# Allegro board 1156197-TDI_VU3P_QSFP28_CXP_V001_1023A-166-20241121_1644_PCB.brd (continued)
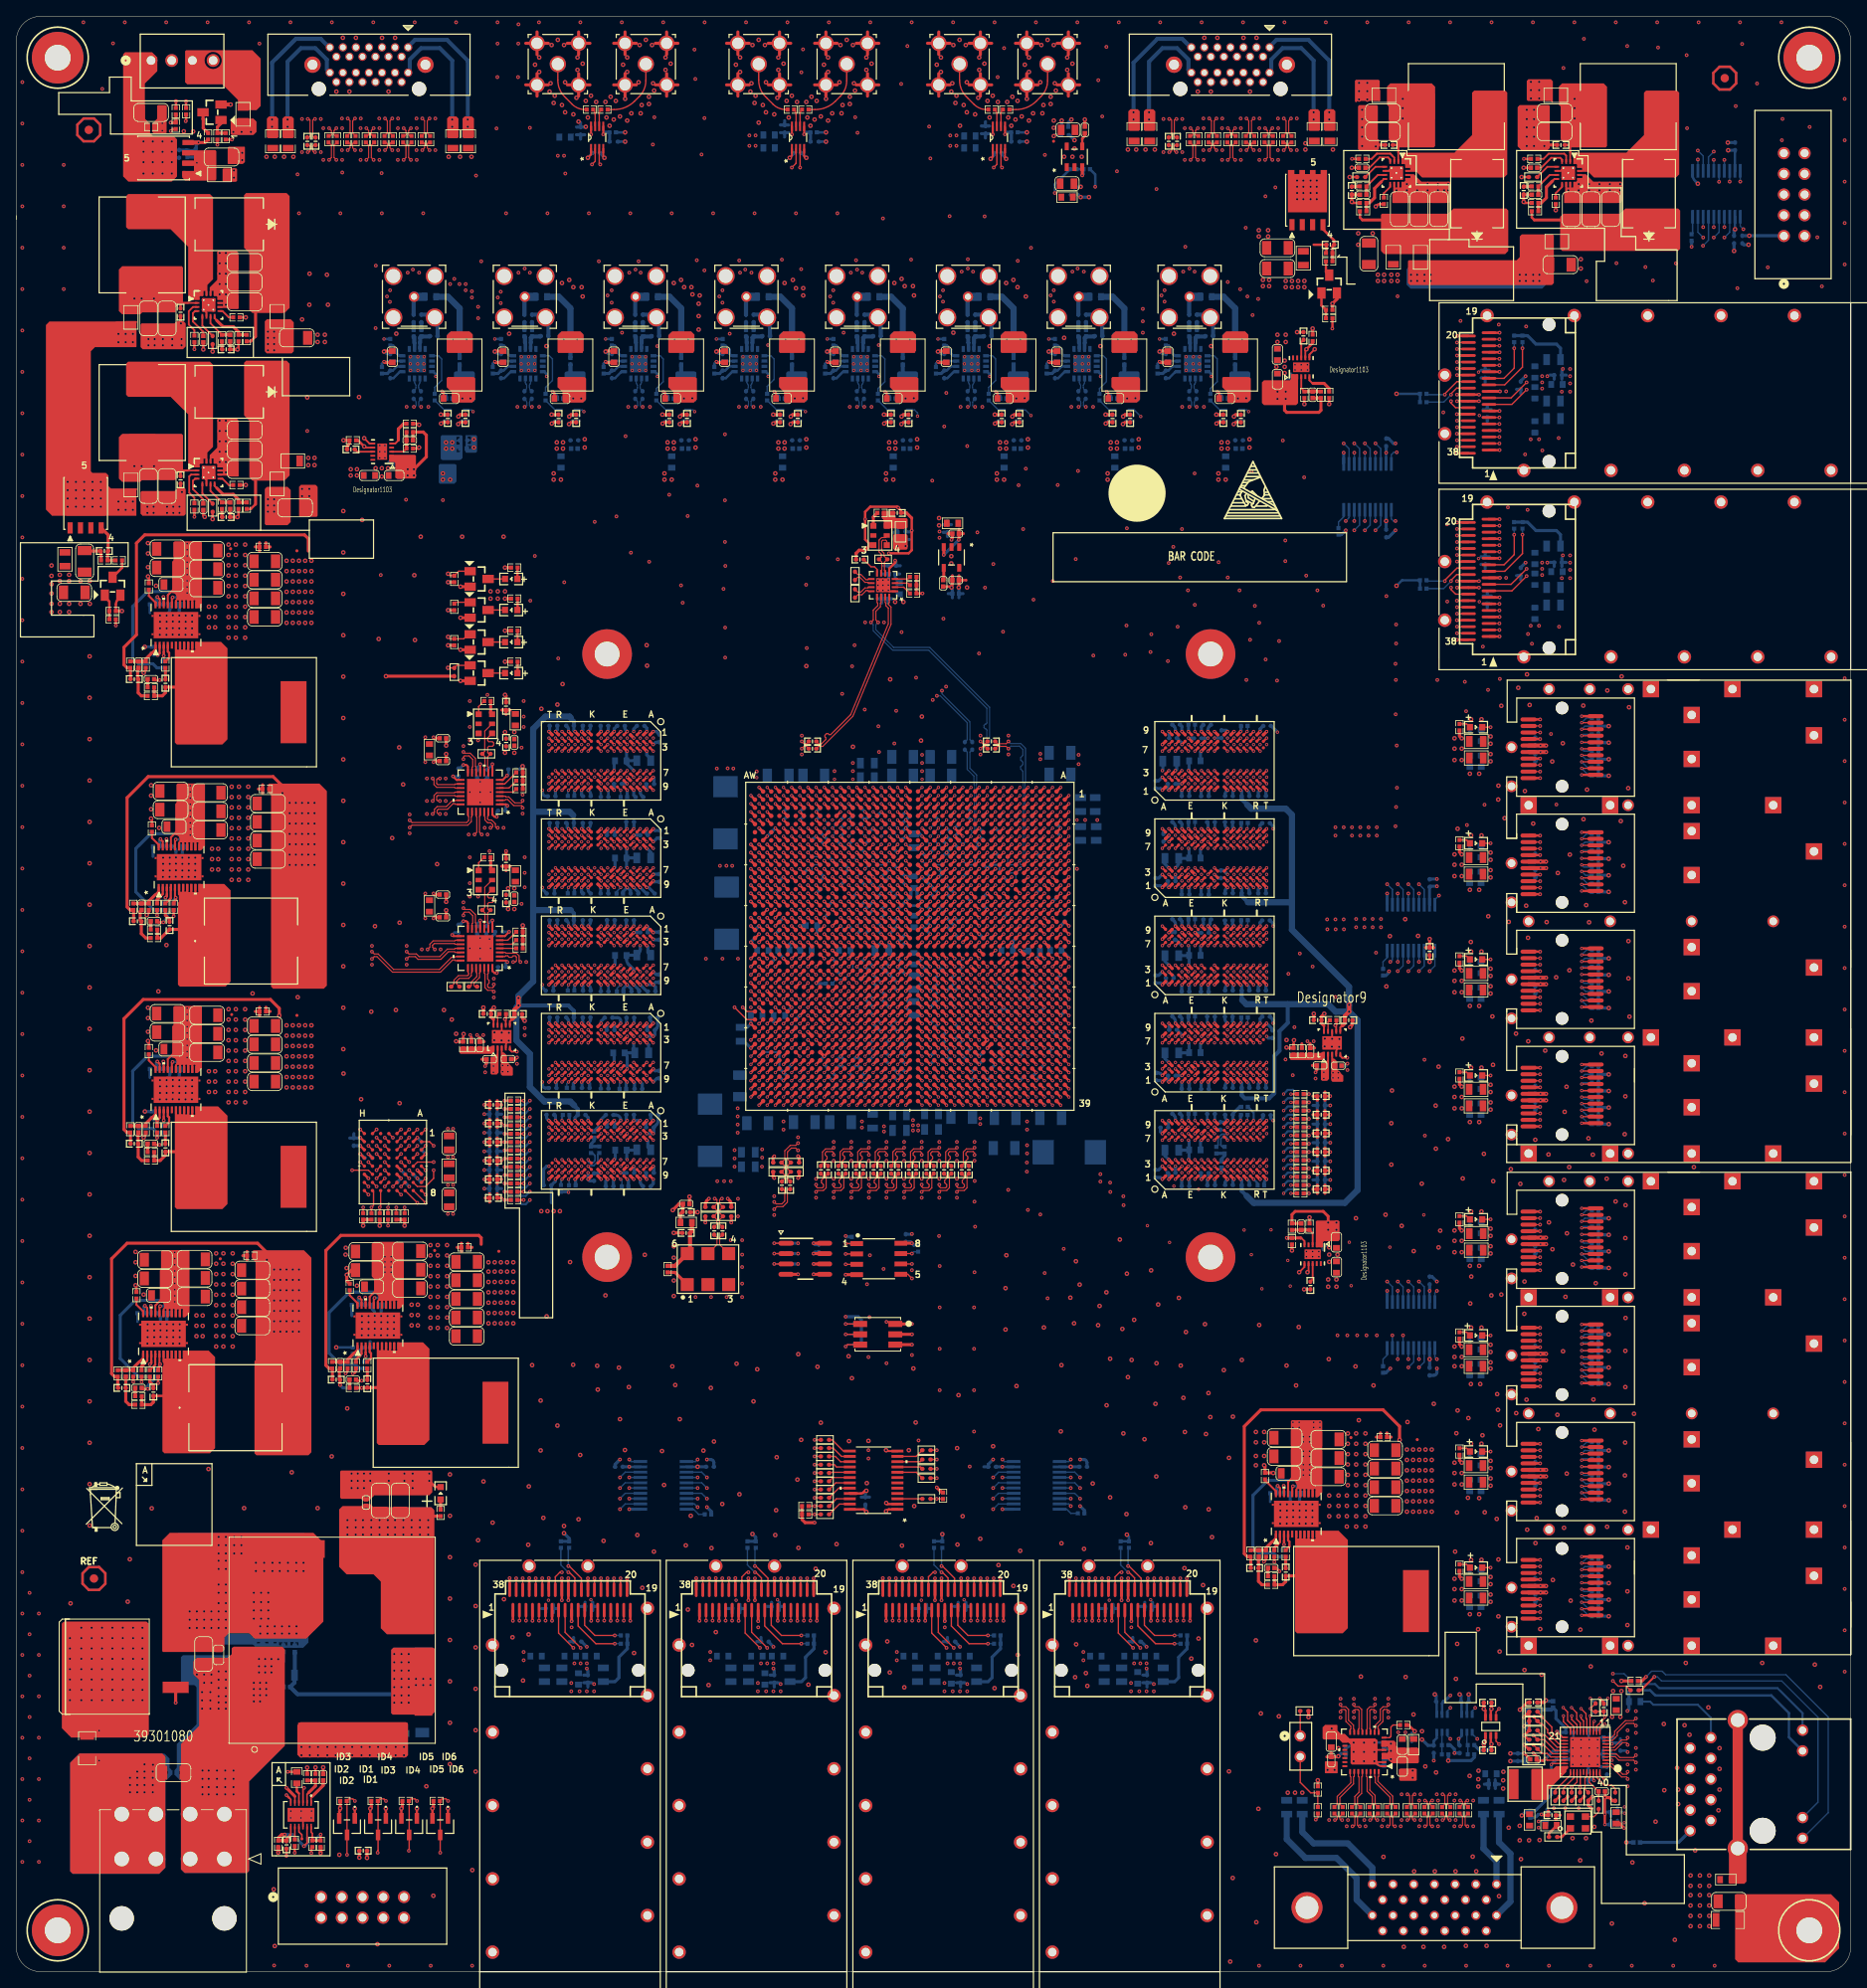
[diagram p0: board, top side]
## Routing (per net, layer and track width the routed paths; a pad name or vN(x,y) marks a point on that pad's centre or on a via; arc(x,y) is an arc through that point) (continued)
CHA_FPGA_DDR4_C1_D48: length 42.5
  TOP w0.267: U1.AP19 v1(95.1,127.36) ; U11.G2 v3(73.33,114.8)
  ART03 w0.165: v3(73.33,114.8) 73.73,115.2 73.73,116.64
  ART03 w0.191: v1(95.1,127.36) 94.6,127.86 93.89,127.86 93.6,128.14 93.6,128.57 93.32,128.86 89.84,128.86 89.53,129.16 82.8,129.16 80.01,126.36 80.01,125.32 80.2,125.13 80.99,125.13 81.18,124.94 81.18,124.56 80.99,124.37 80.2,124.37 80.01,124.18 80.01,123.8 80.2,123.61 80.99,123.61 81.18,123.41 81.18,123.03 80.99,122.84 80.2,122.84 80.01,122.65 80.01,122.27 80.2,122.08 80.99,122.08 81.18,121.89 81.18,121.51 80.99,121.32 80.35,121.32 80.16,121.13 80.16,120.75 80.35,120.56 80.99,120.56 81.18,120.37 81.18,119.41 78.99,117.22 74.19,117.22 73.73,116.76 73.73,116.64
CHA_FPGA_DDR4_C1_D49: length 39.9
  TOP w0.267: U11.F7 v3(74.13,111.6) ; U1.AR20 v1(94.1,126.36)
  ART03 w0.165: v3(74.13,111.6) 75.16,111.6 75.56,111.2 78.46,111.2
  ART03 w0.191: v1(94.1,126.36) 94.1,125.6 93.37,124.87 87.93,124.87 84.96,121.89 84.96,114.55 84.65,114.24 84.38,114.24 83.38,115.24 83.11,115.24 82.84,114.97 82.84,114.7 83.84,113.7 83.84,113.43 83.57,113.16 83.3,113.16 82.3,114.16 82.03,114.16 81.76,113.89 81.76,113.62 82.76,112.62 82.76,112.35 81.61,111.2 80.34,111.2 80.15,111.39 80.15,111.82 79.96,112.01 79.58,112.01 79.39,111.82 79.39,111.39 79.2,111.2 78.46,111.2
CHA_FPGA_DDR4_C1_D50: length 42.4
  TOP w0.267: U11.H3 v3(72.53,114) ; U1.AR19 v1(94.1,127.36)
  ART03 w0.165: v3(72.53,114) 72.93,114.4 76.68,114.4 76.69,114.41 76.69,114.41 76.92,114.64 76.92,114.64 76.93,114.65 76.93,115.06
  ART03 w0.191: 76.93,115.06 76.93,115.13 77.12,115.32 78.11,115.32 81.92,119.13 81.92,124.46 82.2,124.74 82.2,125.01 81.01,126.2 81.01,126.47 81.28,126.74 81.55,126.74 82.74,125.55 83.01,125.55 83.28,125.82 83.28,126.09 82.15,127.22 82.15,127.49 82.42,127.76 82.69,127.76 83.81,126.63 84.08,126.63 84.35,126.9 84.35,127.17 83.48,128.04 83.48,128.31 83.75,128.58 84.02,128.58 84.89,127.71 85.16,127.71 85.6,128.14 89.46,128.14 89.75,127.86 93.25,127.86 93.75,127.36 v1(94.1,127.36)
CHA_FPGA_DDR4_C1_D51: length 42.7
  TOP w0.267: U1.AN20 v1(96.1,126.36) ; U11.H7 v3(72.53,111.6)
  ART03 w0.165: v3(72.53,111.6) 72.93,111.2 75.11,111.2 75.33,110.98 75.33,110.62 75.55,110.4 78.42,110.4
  ART03 w0.191: v1(96.1,126.36) 95.78,126.36 94.5,125.07 94.18,125.07 93.55,124.44 93.55,124.13 93.28,123.86 89.69,123.86 89.53,123.7 87.63,123.7 85.6,121.67 85.6,121.4 85.79,121.21 86.37,121.21 86.56,121.01 86.56,120.63 86.37,120.44 85.79,120.44 85.6,120.25 85.6,119.87 85.79,119.68 86.37,119.68 86.56,119.49 86.56,119.11 86.37,118.92 85.79,118.92 85.6,118.73 85.6,118.35 85.79,118.16 86.37,118.16 86.56,117.97 86.56,117.59 86.37,117.4 85.79,117.4 85.6,117.2 85.6,116.82 85.79,116.63 86.37,116.63 86.56,116.44 86.56,116.06 86.37,115.87 85.79,115.87 85.6,115.68 85.6,114.17 81.83,110.4 78.42,110.4
CHA_FPGA_DDR4_C1_D52: length 42.1
  TOP w0.267: U1.AR18 v1(94.1,128.36) ; U11.H2 v3(72.53,114.8)
  ART03 w0.165: 72.93,116.6 72.93,115.2 v3(72.53,114.8)
  ART03 w0.191: v1(94.1,128.36) 94.1,128.71 93.6,129.21 93.6,129.67 93.41,129.86 82.49,129.86 79.38,126.75 79.38,118.54 78.69,117.86 78.23,117.86 78.04,118.05 78.04,119.34 77.85,119.53 77.47,119.53 77.28,119.34 77.28,118.05 77.09,117.86 76.71,117.86 76.52,118.05 76.52,119.34 76.33,119.53 75.95,119.53 75.75,119.34 75.75,118.05 75.56,117.86 73.36,117.86 72.93,117.43 72.93,116.6
CHA_FPGA_DDR4_C1_D53: length 42.4
  TOP w0.267: U11.H8 v3(72.53,110.8) ; U1.AN21 v1(96.1,124.36)
  ART03 w0.165: v3(72.53,110.8) 72.93,110.4 73.49,110.4 73.73,110.17 73.73,108.99
  ART03 w0.191: v1(96.1,124.36) 96.1,124.07 95.89,123.86 94.97,123.86 94.6,123.48 94.6,123.01 94.42,122.83 93.93,122.83 93.65,122.56 93.65,122.14 93.37,121.86 89.19,121.86 88.65,121.31 88.65,115.06 86.43,112.85 86.43,112.58 87.25,111.76 87.25,111.12 84.84,108.71 81.67,108.71 81.48,108.52 81.48,108.01 81.29,107.82 80.91,107.82 80.72,108.01 80.72,108.52 80.53,108.71 80.14,108.71 79.95,108.52 79.95,107.89 79.76,107.7 79.38,107.7 79.19,107.89 79.19,108.52 79,108.71 73.92,108.71 73.73,108.9 73.73,108.99
CHA_FPGA_DDR4_C1_D54: length 42
  TOP w0.267: U11.J3 v3(71.73,114) ; U1.AP18 v1(95.1,128.36)
  ART03 w0.165: v3(71.73,114) 71.96,114 72.14,114.17 72.14,116.61
  ART03 w0.191: 72.14,116.61 72.14,118.8 73.48,120.14 73.95,120.14 74.14,119.95 74.14,118.81 74.33,118.62 74.71,118.62 74.9,118.81 74.9,119.95 75.09,120.14 77.95,120.14 78.74,120.93 78.74,127 82.3,130.56 89.79,130.56 90.09,130.86 93.43,130.86 94.61,129.67 94.61,128.84 v1(95.1,128.36)
CHA_FPGA_DDR4_C1_D55: length 38.8
  TOP w0.267: U1.AT20 v1(93.1,126.36) ; U11.J7 v3(71.73,111.6)
  ART03 w0.191: v1(93.1,126.36) 93.1,125.74 92.91,125.55 86.69,125.55 85.49,124.35 85.49,124.08 85.66,123.9 85.66,123.63 85.39,123.37 85.12,123.37 84.95,123.54 84.68,123.54 84.33,123.19 84.33,117.6 83.84,117.11 83.84,116.84 84.26,116.41 84.26,116.14 84,115.87 83.73,115.87 83.3,116.3 83.03,116.3 80.65,113.93 80.65,113.66 81.72,112.59 81.72,112.32 81.45,112.05 81.18,112.05 80.11,113.12 79.84,113.12 78.87,112.14 73.15,112.14 72.77,112.52 71.92,112.52 71.73,112.33 v3(71.73,111.6)
CHA_FPGA_DDR4_C1_D56: length 26.8
  TOP w0.267: U1.AW21 v1(90.1,124.36) ; U11.A3 v3(78.13,114)
  ART05 w0.165: 77.74,115.07 77.74,114.18 77.91,114 v3(78.13,114)
  ART05 w0.191: v1(90.1,124.36) 90.1,124.88 89.86,125.12 88.09,125.12 87.81,124.84 87.81,123.85 85.48,121.52 85.21,121.52 84.82,121.91 84.55,121.91 84.28,121.64 84.28,121.37 84.67,120.98 84.67,120.71 84.4,120.44 84.13,120.44 83.74,120.84 83.47,120.84 83.2,120.57 83.2,120.3 83.59,119.91 83.59,119.64 83.32,119.37 83.05,119.37 82.66,119.76 82.39,119.76 82.12,119.49 82.12,119.22 82.52,118.83 82.52,118.56 82.25,118.29 81.98,118.29 81.59,118.68 81.32,118.68 81.05,118.41 81.05,118.14 81.44,117.75 81.44,117.48 81.2,117.25 81.2,116.09 80.94,115.82 79.17,115.82 78.71,115.37 77.94,115.37 77.74,115.16 77.74,115.07
CHA_FPGA_DDR4_C1_D57: length 31.3
  TOP w0.267: U1.AU19 v1(92.1,127.36) ; U11.B8 v3(77.33,110)
  ART05 w0.191: v3(77.33,110) 77.6,109.73 78.23,109.73 78.92,109.04 79.44,109.04 79.63,109.23 79.63,109.41 79.82,109.6 80.21,109.6 80.4,109.41 80.4,109.23 80.59,109.04 80.97,109.04 81.32,109.4 81.76,109.4 82.11,109.04 82.63,109.04 86.18,112.6 86.18,117.3 89.79,120.9 90.35,120.9 90.6,121.16 90.6,121.51 90.91,121.82 91.36,121.82 91.64,122.1 91.64,122.53 92,122.89 92.28,122.89 92.58,123.19 92.58,126.88 v1(92.1,127.36)
CHA_FPGA_DDR4_C1_D58: length 30.7
  TOP w0.267: U1.AV19 91.1,126.36 v1(91.1,126.36) ; U11.C3 v3(76.53,114)
  ART05 w0.165: v3(76.53,114) 76.77,114 76.94,114.17 76.94,115.11
  ART05 w0.191: v1(91.1,126.36) 91.4,126.36 91.95,125.81 91.95,125.02 91.76,124.83 90.74,124.83 90.55,125.02 90.55,125.35 90.17,125.73 87.73,125.73 87.2,125.2 87.2,124.16 85.55,122.5 84.33,122.5 80.47,118.64 80.47,116.6 80.28,116.41 79.82,116.41 79.63,116.6 79.63,118.33 79.44,118.52 79.06,118.52 78.87,118.33 78.87,116.33 78.49,115.95 77.22,115.95 77.04,115.77 77.04,115.22 76.94,115.11
CHA_FPGA_DDR4_C1_D59: length 27
  TOP w0.267: U1.AW22 v1(90.1,123.36) ; U11.C7 v3(75.73,111.6)
  ART05 w0.165: v3(75.73,111.6) 75.73,111.39 75.92,111.2 78.44,111.2
  ART05 w0.191: v1(90.1,123.36) 90.1,123.25 89.53,122.68 89.53,122.3 84.71,117.48 84.71,117.21 84.94,116.98 84.94,116.71 84.67,116.45 84.4,116.45 84.17,116.67 83.91,116.67 83.57,116.33 83.57,115.8 83.76,115.61 84.62,115.61 84.81,115.42 84.81,115.04 84.62,114.84 83.76,114.84 83.57,114.65 83.57,112.12 82.32,110.87 79.01,110.87 78.68,111.2 78.44,111.2
CHA_FPGA_DDR4_C1_D60: length 29.9
  TOP w0.267: U11.C2 v3(75.73,115.6) ; v1(91.1,127.36) 91.1,127.36 U1.AW19
  ART05 w0.165: v3(75.73,115.6) 75.61,115.6 75.33,115.88 75.33,116.54
  ART05 w0.191: v1(91.1,127.36) 89.57,127.36 89.12,126.9 87.12,126.9 85.34,125.12 85.34,124.08 85.01,123.75 83.95,123.75 80.09,119.89 74.19,119.89 74,119.7 74,119.32 74.19,119.13 75.2,119.13 75.39,118.94 75.39,118.55 75.2,118.36 74.19,118.36 74,118.17 74,117.79 74.19,117.6 75.14,117.6 75.33,117.41 75.33,116.54
CHA_FPGA_DDR4_C1_D61: length 28.6
  TOP w0.267: U11.C8 v3(76.53,110.8) ; U1.AU22 v1(92.1,123.36)
  ART05 w0.191: v3(76.53,110.8) 77.41,110.8 77.98,110.24 83.01,110.24 84.47,111.7 84.47,111.97 84.3,112.15 84.3,112.42 84.57,112.69 84.84,112.69 85.01,112.51 85.28,112.51 85.6,112.83 85.6,113.32 85.41,113.51 84.49,113.51 84.3,113.7 84.3,114.08 84.49,114.27 85.41,114.27 85.6,114.46 85.6,117.55 89.94,121.89 90.41,121.89 90.6,122.09 90.6,122.63 90.79,122.82 91.28,122.82 91.81,123.36 v1(92.1,123.36)
CHA_FPGA_DDR4_C1_D62: length 31.3
  TOP w0.267: U1.AU18 v1(92.1,128.36) ; U11.D3 v3(74.93,114)
  ART05 w0.165: 73.73,116.6 73.73,114.62 73.94,114.4 74.53,114.4 v3(74.93,114)
  ART05 w0.191: v1(92.1,128.36) 92.1,128.08 91.91,127.89 89.15,127.89 88.75,127.48 86.84,127.48 79.88,120.52 73.72,120.52 73.41,120.21 73.41,119.38 73.22,119.19 73.06,119.19 72.87,119 72.87,118.62 73.06,118.43 73.22,118.43 73.41,118.24 73.41,117.22 73.73,116.9 73.73,116.6
CHA_FPGA_DDR4_C1_D63: length 29.5
  TOP w0.267: U1.AT22 v1(93.1,123.36) ; U11.D7 v3(75.73,110.8)
  ART05 w0.165: v3(75.73,110.8) 76.72,109.81 arc(76.87,109.58) 76.93,109.3 76.93,109.02 arc(76.94,108.95) 76.98,108.9 77.08,108.8
  ART05 w0.191: 77.08,108.8 77.18,108.69 arc(77.44,108.52) 77.75,108.46 82.64,108.46 arc(82.86,108.5) 83.05,108.62 86.64,112.22 arc(86.75,112.39) 86.79,112.58 86.79,115.37 arc(86.95,116.19) 87.42,116.88 88.62,118.08 88.62,118.35 88.84,118.89 89.56,119.61 arc(89.84,119.8) 90.17,119.86 91.06,119.86 91.35,119.98 91.57,120.2 91.57,120.47 91.92,120.83 92.2,120.83 92.51,121.14 92.63,121.43 92.63,122.47 92.75,122.75 92.92,122.92 v1(93.1,123.36)
CHA_FPGA_DDR4_C1_D64: length 40.9
  TOP w0.267: U10.G2 v3(73.33,150.62) ; U1.AP9 v1(95.1,137.36)
  ART12 w0.165: 78.36,150.22 73.73,150.22 v3(73.33,150.62)
  ART12 w0.191: v1(95.1,137.36) 95.1,137.69 94.61,138.18 94.61,138.53 94.29,138.86 89.77,138.86 88.62,140 87.02,140 86.49,140.54 86.49,144.54 86.68,144.73 88.28,144.73 88.47,144.92 88.47,145.3 88.28,145.5 86.68,145.5 86.49,145.69 86.49,146.07 86.68,146.26 88.28,146.26 88.47,146.45 88.47,146.83 88.28,147.02 86.68,147.02 86.46,147.23 86.46,148.89 85.14,150.22 78.36,150.22
CHA_FPGA_DDR4_C1_D65: length 38.6
  TOP w0.267: U1.AT10 v1(93.1,136.36) ; U10.F7 v3(74.13,147.42)
  ART12 w0.165: 76.96,146.22 74.76,146.22 74.53,146.45 74.53,147.02 v3(74.13,147.42)
  ART12 w0.191: v1(93.1,136.36) 92.8,136.36 92.3,135.86 89.55,135.86 88.82,135.13 84.09,135.13 82.82,136.4 82.82,136.67 83.37,137.22 83.37,137.49 83.1,137.76 82.83,137.76 82.28,137.21 82.01,137.21 81.66,137.56 81.66,138.76 81.85,138.95 83.12,138.95 83.31,139.15 83.31,139.53 83.12,139.72 81.85,139.72 81.66,139.91 81.66,140.29 81.85,140.48 83.12,140.48 83.31,140.67 83.31,141.05 83.12,141.24 81.85,141.24 81.66,141.43 81.66,145.8 81.28,146.18 77,146.18 76.96,146.22
CHA_FPGA_DDR4_C1_D66: length 40.5
  TOP w0.267: U1.AP8 v1(95.1,138.36) ; U10.H3 v3(72.53,150.62)
  ART12 w0.165: v3(72.53,150.62) 72.93,151.02 78.36,151.02
  ART12 w0.191: 78.36,151.02 85.64,151.02 89.26,147.4 89.26,143.72 89.07,143.53 87.69,143.53 87.5,143.34 87.5,142.96 87.69,142.77 89.07,142.77 89.26,142.58 89.26,142.19 89.07,142 87.41,142 87.22,141.81 87.22,141.43 87.41,141.24 89.07,141.24 89.26,141.05 89.26,140.44 89.84,139.86 94.39,139.86 94.6,139.65 94.6,139.21 95.1,138.71 v1(95.1,138.36)
CHA_FPGA_DDR4_C1_D67: length 39.3
  TOP w0.267: U1.AR11 v1(94.1,135.36) ; U10.H7 v3(72.53,147.42)
  ART12 w0.165: v3(72.53,147.42) 72.13,147.01 72.13,144.81
  ART12 w0.191: v1(94.1,135.36) 94.1,135 94.11,135 94.64,134.47 94.64,133.22 94.27,132.86 89.9,132.86 89.53,133.22 83.29,133.22 79.76,136.75 79.76,141.73 79.25,142.24 74.72,142.24 74.53,142.43 74.53,143.45 74.34,143.64 73.96,143.64 73.77,143.45 73.77,143.04 73.58,142.85 72.54,142.85 72.13,143.26 72.13,144.81
CHA_FPGA_DDR4_C1_D68: length 38.1
  TOP w0.267: U1.AP11 v1(95.1,135.36) ; U10.H2 v3(72.53,151.42)
  ART12 w0.165: 78.36,151.82 72.95,151.82 72.55,151.42 v3(72.53,151.42)
  ART12 w0.191: 78.36,151.82 85.88,151.82 90.02,147.68 90.02,145.31 90.6,144.73 90.6,141.1 90.84,140.86 95.24,140.86 95.6,140.49 95.6,135.86 v1(95.1,135.36)
CHA_FPGA_DDR4_C1_D69: length 38.2
  TOP w0.267: U1.AT11 v1(93.1,135.36) ; U10.H8 v3(72.53,146.62)
  ART12 w0.165: v3(72.53,146.62) 72.93,146.22 72.93,144.78
  ART12 w0.191: 72.93,144.78 72.93,144.59 73.12,144.4 75.18,144.4 75.37,144.21 75.37,143.65 75.56,143.46 75.94,143.46 76.13,143.65 76.13,144.21 76.32,144.4 76.7,144.4 76.89,144.21 76.89,143.07 77.08,142.88 77.46,142.88 77.65,143.07 77.65,144.21 77.84,144.4 78.23,144.4 78.42,144.21 78.42,143.07 78.61,142.88 80.2,142.88 80.39,142.68 80.39,137.03 83.57,133.86 86.73,133.86 86.73,133.86 93.47,133.86 93.62,134.01 93.62,134.83 v1(93.1,135.36)
CHA_FPGA_DDR4_C1_D70: length 39.3
  TOP w0.267: U10.J3 v3(71.73,149.82) ; U1.AR10 v1(94.1,136.36)
  ART12 w0.165: 76.83,145.41 74.42,145.41 73.73,146.11 73.73,147.61 71.73,149.61 v3(71.73,149.82)
  ART12 w0.191: v1(94.1,136.36) 94.1,136.27 93.73,135.89 92.96,135.89 92.58,135.51 92.58,135.13 92.31,134.86 89.42,134.86 89.03,134.47 83.85,134.47 81.03,137.3 81.03,144.91 80.52,145.41 80.11,145.41 79.92,145.22 79.92,144.03 79.73,143.84 79.35,143.84 79.16,144.03 79.16,145.22 78.91,145.47 76.89,145.47 76.83,145.41
CHA_FPGA_DDR4_C1_D71: length 37.7
  TOP w0.267: U1.AP12 v1(95.1,134.36) ; U10.J7 v3(71.73,146.62)
  ART12 w0.191: v3(71.73,146.62) 71.25,146.13 71.25,143.13 71.91,142.46 73.99,141.6 77.85,141.6 79.12,140.34 79.12,136.27 82.87,132.52 89.12,132.52 89.79,131.86 94.29,131.86 94.61,132.18 94.61,132.61 95.15,133.15 95.15,134.31 v1(95.1,134.36)
CHA_FPGA_DDR4_C1_D72: length 32
  TOP w0.267: U1.AW11 v1(90.1,135.36) ; U10.A3 v3(78.13,149.82)
  ART03 w0.191: v1(90.1,135.36) 89.19,136.27 86.56,136.27 85.75,137.08 85.75,144.6 85.06,145.29 85.06,145.56 85.83,146.33 85.83,146.6 85.56,146.87 85.29,146.87 84.52,146.1 84.25,146.1 83.98,146.37 83.98,146.64 85.29,147.94 85.29,148.21 85.02,148.48 84.75,148.48 83.44,147.18 83.18,147.18 81.82,148.53 81.82,148.8 82.35,149.33 82.35,149.6 82.08,149.87 81.81,149.87 81.28,149.34 81.01,149.34 80.54,149.82 v3(78.13,149.82)
CHA_FPGA_DDR4_C1_D73: length 29.9
  TOP w0.267: U10.B8 v3(77.33,146.62) ; U1.AW13 v1(90.1,133.36)
  ART03 w0.191: v3(77.33,146.62) 77.33,145.96 77.72,145.57 80.31,145.57 81.25,144.63 81.25,139.86 81.45,139.67 82.44,139.67 82.63,139.48 82.63,139.1 82.44,138.91 81.45,138.91 81.25,138.72 81.25,138.33 81.45,138.14 82.44,138.14 82.63,137.95 82.63,137.57 82.44,137.38 81.45,137.38 81.25,137.19 81.25,136.81 81.45,136.62 82.31,136.62 82.68,136.25 82.68,135.23 84.86,133.05 89.36,133.05 89.67,133.36 v1(90.1,133.36)
CHA_FPGA_DDR4_C1_D74: length 32.4
  TOP w0.267: U1.AV11 v1(91.1,135.36) ; U10.C3 v3(76.53,149.82)
  ART03 w0.165: v3(76.53,149.82) 76.93,150.22 78.51,150.22
  ART03 w0.191: 78.51,150.22 78.64,150.22 79.04,150.62 83.79,150.62 84.02,150.39 84.02,150.12 82.9,149 82.9,148.73 83.17,148.46 83.43,148.46 84.56,149.58 84.83,149.58 86.46,147.96 86.46,144.93 86.49,144.91 86.49,137.77 87.4,136.86 90.27,136.86 90.6,136.53 90.6,135.84 91.08,135.36 v1(91.1,135.36)
CHA_FPGA_DDR4_C1_D75: length 29.8
  TOP w0.267: U10.C7 v3(76.53,147.42) ; U1.AW12 v1(90.1,134.36)
  ART03 w0.165: v3(76.53,147.42) 76.93,147.02 78.33,147.02
  ART03 w0.191: 78.33,147.02 78.49,147.02 79.17,146.33 80.47,146.33 83.34,143.46 83.34,143.16 83.15,142.97 82.18,142.97 81.99,142.78 81.99,142.4 82.18,142.21 83.15,142.21 83.34,142.02 83.34,141.64 83.15,141.45 82.18,141.45 81.99,141.26 81.99,140.88 82.18,140.69 83.15,140.69 83.34,140.5 83.34,135.61 85.17,133.78 89.33,133.78 89.91,134.36 v1(90.1,134.36)
CHA_FPGA_DDR4_C1_D76: length 32.9
  TOP w0.267: U1.AV10 v1(91.1,136.36) ; U10.C2 v3(76.53,150.62)
  ART03 w0.165: v3(76.53,150.62) 76.93,151.02 78.36,151.02
  ART03 w0.191: 78.36,151.02 78.55,151.02 78.79,151.26 84.38,151.26 87.22,148.41 87.99,148.41 88.57,147.83 88.57,145.56 88.38,145.37 87.29,145.37 87.1,145.18 87.1,144.8 87.29,144.61 88.1,144.61 88.29,144.42 88.29,144.04 88.1,143.85 87.29,143.85 87.1,143.66 87.1,138.35 87.58,137.87 90.27,137.87 90.6,137.54 90.6,137.19 91.1,136.69 v1(91.1,136.36)
CHA_FPGA_DDR4_C1_D77: length 32.7
  TOP w0.267: U1.AV12 v1(91.1,134.36) ; U10.C8 v3(76.53,146.62)
  ART03 w0.165: v3(76.53,146.62) 76.53,146.61 76.93,146.21 76.93,144.84
  ART03 w0.191: v1(91.1,134.36) 90.6,133.86 90.6,133.22 90.24,132.86 89.91,132.86 89.38,132.33 84.45,132.33 83.65,133.13 83.39,133.13 82.7,132.45 82.43,132.45 82.16,132.72 82.16,132.99 82.85,133.67 82.85,133.94 82.58,134.21 82.31,134.21 81.62,133.53 81.35,133.53 81.08,133.8 81.08,134.07 81.77,134.75 81.77,135.02 80.64,136.14 80.64,143.64 79.88,144.4 77.24,144.4 76.93,144.71 76.93,144.84
CHA_FPGA_DDR4_C1_D78: length 33
  TOP w0.267: U10.D3 v3(75.73,149.82) ; U1.AU10 v1(92.1,136.36)
  ART03 w0.165: v3(75.73,149.82) 76.13,150.22 76.13,151.59 76.35,151.82 78.38,151.82
  ART03 w0.191: v1(92.1,136.36) 92.1,136.37 91.6,136.87 91.6,137.53 91.28,137.86 90.97,137.86 90.6,138.23 90.6,138.63 90.22,139.01 88.95,139.01 87.86,140.11 87.86,142.49 88.9,143.54 88.9,144.86 89.18,145.14 89.18,148.03 85.14,152.07 78.77,152.07 78.51,151.82 78.38,151.82
CHA_FPGA_DDR4_C1_D79: length 31
  TOP w0.267: U10.D7 v3(75.73,146.62) ; U1.AU13 v1(92.1,133.36)
  ART03 w0.165: 76.13,144.8 76.13,146.22 v3(75.73,146.62)
  ART03 w0.191: v1(92.1,133.36) 91.95,133.36 91.45,132.86 90.95,132.86 90.6,132.51 90.6,132.07 90.39,131.86 89.72,131.86 89.56,131.7 82.17,131.7 79.88,133.98 79.88,143 79.38,143.51 77.29,143.51 76.13,144.67 76.13,144.8
CHA_FPGA_DDR4_C1_DM0: length 44.2
  TOP w0.267: U1.AG14 v1(102.1,132.36) ; U7.E7 v3(74.13,122.74)
  ART07 w0.165: 73.73,120.96 73.73,122.34 v3(74.13,122.74)
  ART07 w0.191: v1(102.1,132.36) U1.AG14 102.6,126.07 101.6,125.07 101.6,124.18 101.22,123.8 100.92,123.8 100.61,123.49 100.61,122.17 100.24,121.8 97.92,121.8 96.92,121.8 96.66,121.54 96.66,121.17 95.35,119.86 89.76,119.86 89.38,119.48 88.01,119.48 87.15,119.12 86.64,118.62 75.67,118.62 74.02,120.27 73.73,120.96
CHA_FPGA_DDR4_C1_DM1: length 42
  TOP w0.267: U1.AK15 v1(99.1,131.36) ; U7.E2 v3(74.93,127.54)
  ART05 w0.165: 74.52,128.91 74.52,128.16 74.68,127.79 v3(74.93,127.54)
  ART05 w0.191: v1(99.1,131.36) 99.11,131.37 99.11,132.59 98.6,133.1 98.6,135.51 98.25,135.86 97.92,135.86 97.59,136.19 97.59,137.57 97.3,137.86 90.91,137.86 90.6,138.17 90.6,138.51 90.17,138.94 arc(89.87,139.19) 89.53,139.39 arc(89.04,139.56) 88.51,139.62 80.14,139.62 79.06,138.55 78.87,138.08 78.87,134.44 78.51,133.57 77.51,132.58 76.01,132.58 74.74,131.3 74.52,130.79 74.52,128.91
CHA_FPGA_DDR4_C1_DM2: length 33.3
  TOP w0.267: U1.AP16 v1(95.1,130.36) ; U8.E7 v3(74.13,134.68)
  ART16 w0.165: v3(74.13,134.68) 73.73,134.28 73.73,133.72 73.97,133.48 74.3,133.48 74.52,133.25 74.52,132.74
  ART16 w0.191: 74.52,132.74 74.52,132.06 74.8,131.77 75.07,131.77 75.95,132.65 76.22,132.65 76.49,132.38 76.49,132.11 75.61,131.23 75.61,130.97 76.42,130.16 76.69,130.16 76.9,130.38 76.9,131.13 77.09,131.32 77.47,131.32 77.66,131.13 77.66,130.19 77.86,130 78.66,130 79.5,129.16 89.15,129.16 89.85,129.86 90.53,129.86 90.72,130.05 90.72,130.16 90.91,130.35 91.3,130.35 91.49,130.16 91.49,130.05 91.68,129.86 92.32,129.86 92.6,130.14 92.6,130.55 92.91,130.86 93.44,130.86 93.84,130.45 94.2,130.45 94.61,130.86 94.91,130.86 95.1,130.67 v1(95.1,130.36)
CHA_FPGA_DDR4_C1_DM3: length 22.9
  TOP w0.267: U8.E2 v3(74.93,138.68) ; U1.AV16 92.1,130.36 v1(92.1,130.36)
  ART07 w0.165: v3(74.93,138.68) 75.08,138.52 arc(75.36,138.34) 75.68,138.28 78.46,138.28 78.65,138.47
  ART07 w0.191: 78.65,138.47 82.84,138.47 85.19,136.12 85.19,135.61 85.67,135.13 86.89,135.13 88.8,133.22 89.42,133.22 89.79,132.86 90.31,132.86 90.6,132.56 90.6,132.16 90.9,131.86 91.28,131.86 91.6,131.54 91.6,130.86 v1(92.1,130.36)
CHA_FPGA_DDR4_C1_DM4: length 57.7
  TOP w0.267: U9.E7 v3(74.13,98.86) ; U1.AG19 v1(102.1,127.36)
  ART12 w0.165: 76.79,98.46 74.53,98.46 v3(74.13,98.86)
  ART12 w0.191: v1(102.1,127.36) 102.1,127.01 102.62,126.49 102.62,124.05 102.42,123.86 99.96,123.86 99.49,123.39 98.7,123.39 98.24,123.86 89.87,123.86 88.72,122.71 88.72,121.49 86.27,119.03 86,119.03 85.31,119.71 85.04,119.71 84.77,119.44 84.77,119.18 85.46,118.49 85.46,118.22 84.58,117.35 84.58,99.8 83.49,98.7 78.77,98.7 78.44,98.37 76.88,98.37 76.79,98.46
CHA_FPGA_DDR4_C1_DM5: length 48.2
  TOP w0.267: v1(99.1,128.36) 99.1,128.36 U1.AL18 ; U9.E2 v3(74.13,102.86)
  ART16 w0.165: v3(74.13,102.86) 74.13,102.91 73.73,103.31 73.73,104.6
  ART16 w0.191: v1(99.1,128.36) 98.1,128.36 97.63,127.89 94.01,127.89 93.6,127.48 93.6,127.21 93.25,126.86 82.89,126.86 78.8,122.77 78.8,109.16 78.33,108.69 74.93,108.69 73.73,107.49 73.73,104.6
CHA_FPGA_DDR4_C1_DM6: length 40.4
  TOP w0.267: U1.AP21 v1(95.1,124.36) ; U11.E7 v3(74.13,110.8)
  ART03 w0.165: 77.55,109.6 75.33,109.6 v3(74.13,110.8)
  ART03 w0.191: 77.55,109.6 77.7,109.6 77.85,109.75 82.19,109.75 83.42,110.98 83.69,110.98 84.82,109.86 85.09,109.86 85.36,110.13 85.36,110.39 84.23,111.52 84.23,111.79 84.5,112.06 84.77,112.06 85.9,110.93 86.17,110.93 86.44,111.2 86.44,111.47 85.31,112.6 85.31,112.87 87.25,114.81 87.25,122.05 88.06,122.86 93.37,122.86 93.6,123.09 93.6,123.53 93.79,123.72 94.28,123.72 94.92,124.36 v1(95.1,124.36)
CHA_FPGA_DDR4_C1_DM7: length 31.4
  TOP w0.267: U11.E2 v3(74.93,115.6) ; U1.AU20 v1(92.1,126.36)
  ART05 w0.165: 76.13,116.54 76.13,114.64 75.89,114.39 75.47,114.39 75.33,114.54 75.33,115.17 74.93,115.57 v3(74.93,115.6)
  ART05 w0.191: v1(92.1,126.36) 92.1,126.62 91.85,126.87 89.97,126.87 89.41,126.31 87.43,126.31 85.98,124.87 85.98,123.88 85.19,123.09 84.1,123.09 80.26,119.25 78.24,119.25 78.05,119.06 78.05,117.54 77.86,117.35 77.48,117.35 77.29,117.54 77.29,119.06 77.1,119.25 76.32,119.25 76.13,119.06 76.13,116.54
CHA_FPGA_DDR4_C1_DM8: length 39.1
  TOP w0.267: U1.AR9 v1(94.1,137.36) ; U10.E7 v3(74.93,147.42)
  ART12 w0.165: v3(74.93,147.42) 75.33,147.02 78.38,147.02
  ART12 w0.191: v1(94.1,137.36) 93.6,136.86 89.46,136.86 88.9,136.3 85.57,136.3 83.95,137.92 83.95,141.83 83.76,142.02 82.49,142.02 82.3,142.21 82.3,142.59 82.49,142.78 83.76,142.78 83.95,142.97 83.95,143.35 83.76,143.54 82.49,143.54 82.3,143.73 82.3,144.11 82.49,144.3 83.76,144.3 83.95,144.49 83.95,144.88 83.76,145.07 82.49,145.07 82.3,145.26 82.3,145.64 82.49,145.83 83.76,145.83 83.95,146.02 83.95,146.56 83.49,147.02 78.38,147.02
CHA_FPGA_DDR4_C1_DM9: length 33.3
  TOP w0.267: U10.E2 v3(74.93,150.62) ; U1.AU9 v1(92.1,137.36)
  ART03 w0.165: v3(74.93,150.62) 75.33,151.02 75.33,152.37
  ART03 w0.191: v1(92.1,137.36) 92.1,137.69 91.6,138.19 91.6,138.52 90.47,139.65 89.87,139.65 89.53,139.98 89.53,140.89 89.34,141.08 88.96,141.08 88.77,141.27 88.77,141.65 88.96,141.84 89.34,141.84 89.53,142.03 89.53,144.7 89.76,144.93 89.76,148.31 85.29,152.78 75.64,152.78 75.33,152.47 75.33,152.37
CHA_FPGA_DDR4_C1_DQS0_N: length 44.5
  TOP w0.211: U1.AH15 v1(101.1,131.36) ; U7.F3 v3(74.13,125.94)
  ART07 w0.102: v1(101.1,131.36) 101.17,131.29 101.17,130.97 101.01,130.81 100.75,130.81 100.5,130.56 100.5,129.82 99.64,128.96 98.72,128.96 97.5,127.74 97.5,126.16 96.94,125.6 95.34,125.6 94.5,124.76 94.5,124.18 94.28,123.96 89.82,123.96 89.76,124.01 89.74,124.01
  ART07 w0.178: 89.74,124.01 89.21,124.01 89,123.8 86,123.8 85.65,123.44 85.65,122.56 85.47,122.38 84.81,122.38 84.58,122.61 84.58,123.42 84.17,123.83 83.26,123.83 82.9,123.47 82.9,122.56 82.69,122.35 82.01,122.35 81.83,122.53 81.83,123.62 81.47,123.98 80.51,123.98 80.15,123.62 80.15,122.66 79.97,122.48 79.26,122.48 79.08,122.66 79.08,125.1 78.73,125.46 77.76,125.46 77.4,125.1 77.4,124.49 77.22,124.31 76.51,124.31 76.33,124.49 76.33,124.97 75.97,125.33 73.96,125.33 73.79,125.51 73.79,125.76 73.96,125.94 v3(74.13,125.94)
CHA_FPGA_DDR4_C1_DQS0_P: length 44.6
  TOP w0.211: U1.AH16 v1(101.1,130.36) ; U7.G3 v3(73.33,125.94)
  ART07 w0.102: 89.74,123.7 89.76,123.7 89.82,123.76 94.37,123.76 94.7,124.09 94.7,124.67 95.43,125.4 97.03,125.4 97.7,126.07 97.7,127.65 98.8,128.76 99.72,128.76 100.7,129.73 100.7,130.48 100.83,130.61 101,130.61 101.1,130.51 v1(101.1,130.36)
  ART07 w0.178: 89.74,123.7 89.34,123.7 89.13,123.49 86.13,123.49 85.95,123.31 85.95,122.43 85.6,122.07 84.68,122.07 84.27,122.48 84.27,123.29 84.04,123.52 83.38,123.52 83.21,123.34 83.21,122.43 82.82,122.05 81.88,122.05 81.52,122.4 81.52,123.49 81.35,123.67 80.63,123.67 80.46,123.49 80.46,122.53 80.1,122.17 79.04,122.17 78.71,122.51 78.71,124.95 78.57,125.09 77.91,125.09 77.77,124.95 77.77,124.33 77.37,123.94 76.36,123.94 75.96,124.33 75.96,124.82 75.82,124.96 73.81,124.96 73.42,125.36 73.42,125.85 v3(73.33,125.94)
CHA_FPGA_DDR4_C1_DQS1_N: length 38.2
  TOP w0.211: U1.AL16 v1(98.1,130.36) ; U7.A7 v3(78.13,123.54)
  ART05 w0.102: 89.71,130.7 89.74,130.7 89.79,130.76 98.37,130.76 98.48,130.65 98.48,130.45 98.38,130.36 v1(98.1,130.36)
  ART05 w0.178: 89.71,130.7 89.33,130.7 88.44,131.6 88.01,131.6 87.83,131.42 87.83,130.31 87.47,129.95 86.51,129.95 86.15,130.31 86.15,131.44 85.97,131.62 84.76,131.62 84.17,131.04 84.17,130.79 85.15,129.81 85.15,129.3 84.46,128.61 83.96,128.61 82.99,129.58 82.74,129.58 82.24,129.07 82.24,128.82 83.08,127.98 83.08,127.48 82.39,126.79 81.89,126.79 81.12,127.55 80.87,127.55 80.37,127.05 80.37,126.8 81.2,125.97 81.2,125.42 80.04,124.25 79.8,124.25 79.62,124.08 79.62,123.95 79.44,123.77 79.09,123.77 78.91,123.95 78.91,124.08 78.73,124.25 77.96,124.25 77.78,124.08 77.78,123.72 77.96,123.54 v3(78.13,123.54)
